# Altium PCB klpfly1.9.5.PcbDoc (part 1 of 2) (continued)
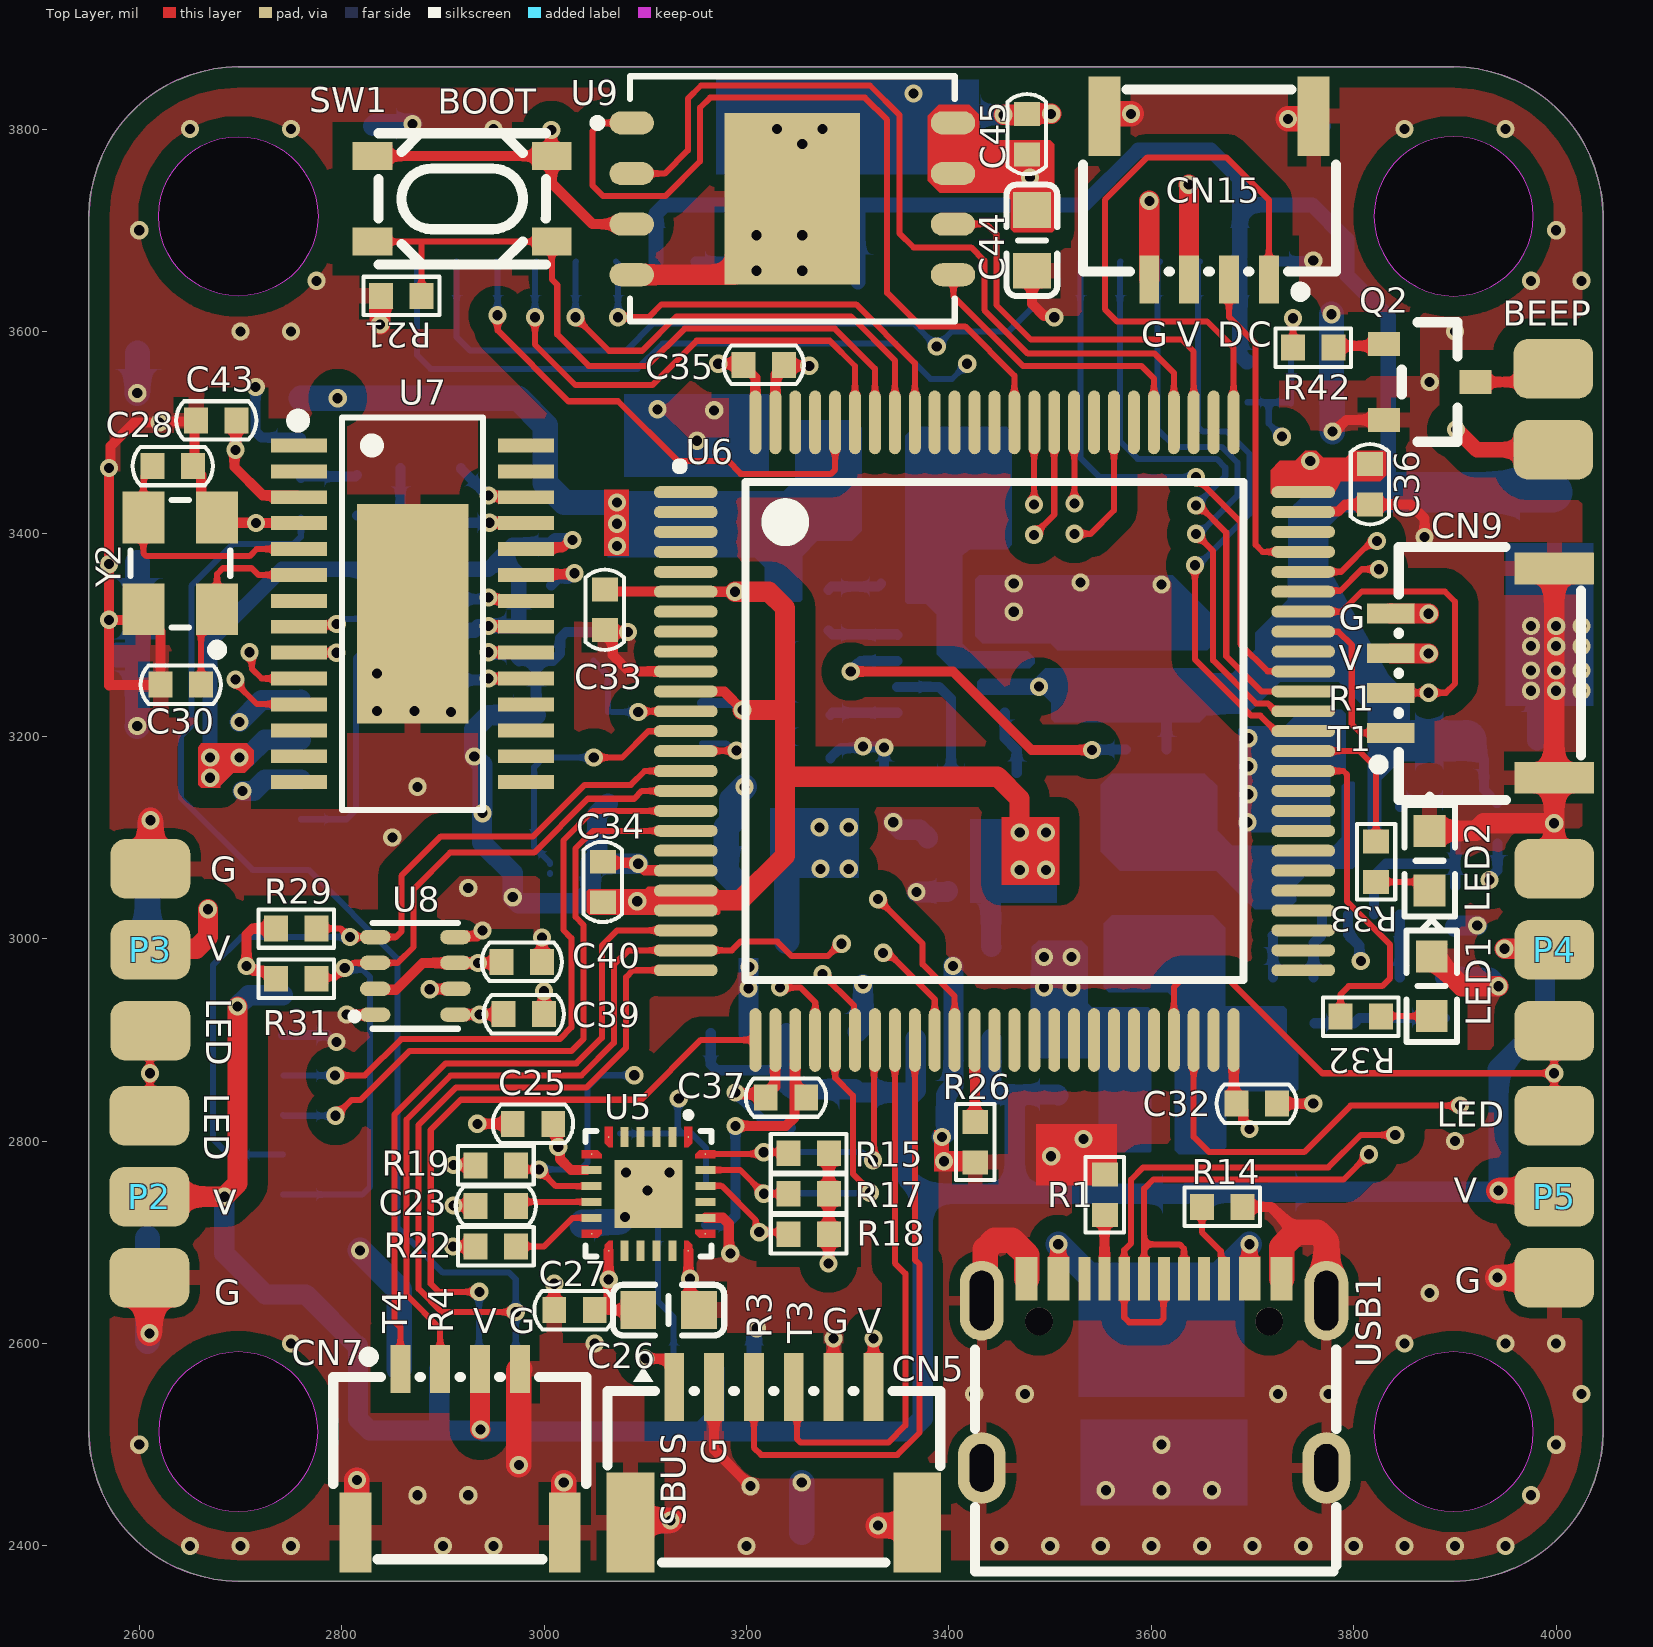
[diagram p0: Top Layer view]
## Design rules (kind name [scope] priority, off if disabled: settings)
Clearance Clearance_top_down_polygon [InNamedPolygon('GND_L01_P002')   or InNamedPolygon('GND_L04_P003')] p1: gap=20 ignorepadtopadclearanceinfootprint=TRUE
Clearance Clearance_Polygon [InNamedPolygon('GND_L02_P001')   or InNamedPolygon('GND_L03_P000')] p2: gap=10 ignorepadtopadclearanceinfootprint=TRUE
Clearance Clearance_RoomIMU [WithinRoom('RoomIMU')] p3: gap=6 ignorepadtopadclearanceinfootprint=TRUE
Clearance Clearance_HVPOWER [InNetClass('HVPOWER')] p4: gap=10 ignorepadtopadclearanceinfootprint=TRUE except(0: Arc-Hole Track-Hole SMDPad-Hole THPad-Hole Via-Hole Fill-Hole Poly-Hole Region-Hole Text-Hole)
Clearance Clearance_LVPOWER [InNetClass('LVPOWER')] p5: gap=8 ignorepadtopadclearanceinfootprint=TRUE except(0: Arc-Hole Track-Hole SMDPad-Hole THPad-Hole Via-Hole Fill-Hole Poly-Hole Region-Hole Text-Hole)
Clearance [All] p6: gap=6 ignorepadtopadclearanceinfootprint=TRUE
ComponentClearance [All] p1: gap=10 collisioncheckmode=3 verticalgap=0 showdistances=FALSE
MinimumSolderMaskSliver [All] p1: minsoldermaskwidth=0
PolygonConnect [All] p1: thpad.connectstyle=Relief thpad.reliefconductorwidth=10 thpad.reliefentries=4 thpad.polygonreliefangle="90 Angle" thpad.airgapwidth=10 smdpad.connectstyle=Relief smdpad.reliefconductorwidth=15 smdpad.reliefentries=4 smdpad.polygonreliefangle="90 Angle" smdpad.airgapwidth=10 via.connectstyle=Direct via.reliefconductorwidth=10 via.reliefentries=4 via.polygonreliefangle="90 Angle" via.airgapwidth=10
RoomDefinition RoomIMU [False vs False] p1: confinementstyle=ConfineIn formatcopy=TRUE lockcomponents=FALSE outline 3020,2823 3203,2823 3203,2656 3020,2656
RoutingVias [All] p1: holewidth=10 width=18 viastyle="Through Hole" minholewidth=10 minwidth=18 maxholewidth=100 maxwidth=100
SilkToSilkClearance [All] p1: silktosilkclearance=0
SilkToSolderMaskClearance [IsPad] p1: minsilkscreentomaskgap=0 clearancetoexposedcopper=TRUE
SolderMaskExpansion [All] p1: expansion=4 istentingtop=FALSE
Width Width_LVPOWER [InNetClass('LVPOWER')] p1: maxlimit=1000 minlimit=10 preferedwidth=10
Width Width_HVPOWER [InNetClass('HVPOWER')] p2: maxlimit=1000 minlimit=10 preferedwidth=10
Width [All] p3: maxlimit=1000 minlimit=6 preferedwidth=6
26 further rules are at their usual default settings.

## Classes and differential pairs
net class LVPOWER: GND VCC3V3_IMU VCC3V3_MCU VCC5V
net class HVPOWER: VCC10V VCC_BAT

## Components (designator, comment, footprint, x,y, rotation, side; value= is the part's Value field where it differs from the comment)
BEEP "BEEPER" 2P 3997,3483 r0 top
C1 "104" 0402C 3353,3351 r180 bottom
C2 "104" 0402C 3720,3023 r270 bottom
C3 "10uF" 0603C 3310,2878 r270 bottom
C4 "104" 0402C 3244,2833 r90 bottom
C5 "10uF" 0603C 3508,2875 r270 bottom
C6 "104" 0402C 3418.78,2847.15 r0 bottom
C7 "22uF" 0805C 3194,3444 r270 bottom
C8 "22uF" 0805C 3107,3446 r270 bottom
C9 "22uF" 0805C 3611,2900 r0 bottom
C10 "22uF" 0805C 3611.91,2820.27 r0 bottom
C11 "10uF" 0603C 3210,3110 r0 bottom
C12 "104" 0402C 3209,3057 r0 bottom
C13 "10uF" 0603C 3409,3099 r0 bottom
C14 "104" 0402C 3419,3047 r0 bottom
C15 "22uF" 0805C 3619,3277 r270 bottom
C16 "22uF" 0805C 3532,3277 r270 bottom
C17 "104" 0402C 3357,3162.6 r0 bottom
C18 "22uF" 0805C 3946,3196 r180 bottom
C19 "22uF" 0805C 3803.2,3195 r0 bottom
C20 "104" 0402C 3900.29,3031.73 r90 bottom
C21 "12pF" 0402C 3029,3275 r0 bottom
C22 "104" 0402C 3758,3529 r180 bottom
C23 "104" 0402C 2952.33,2735.93 r180 top
C24 "12pF" 0402C 3026,3074 r180 bottom
C25 "104" 0402C 2989,2817 r0 top
C26 "10uF" 0603C 3123,2633 r180 top
C27 "104" 0402C 3030,2633 r0 top
C28 "12pF" 0402C 2633,3467 r180 top
C29 "10uF" 0603C 2888,3465 r0 bottom
C30 "12pF" 0402C 2641,3251 r0 top
C31 "10uF" 0603C 2887,3404 r0 bottom
C32 "104" 0402C 3704,2837 r180 top
C33 "104" 0402C 3060,3325 r90 top
C34 "104" 0402C 3058,3056 r270 top
C35 "104" 0402C 3217,3567 r180 top
C36 "104" 0402C 3816,3449 r90 top
C37 "104" 0402C 3239,2843 r0 top
C38 "104" 0402C 2893,3333 r0 bottom
C39 "104" 0402C 2980,2925.41 r180 top
C40 "104" 0402C 2978,2977 r180 top
C41 "104" 0402C 2975,3294 r90 bottom
C42 "104" 0402C 3007,3369 r90 bottom
C43 "104" 0402C 2676,3512 r0 top
C44 "10uF" 0603C 3482,3690 r90 top
C45 "104" 0402C 3477,3795 r270 top
C46 "22uF" 0805C 3559,2536 r90 bottom
C47 "22uF" 0805C 3660,2535 r90 bottom
CN1 "SH1.0X8P" CONN-SMD_8P-P1.00_WAFER-SH1.0-8PWB 3012,3736 r0 bottom
CN2 "SH1.0X8P" CONN-SMD_8P-P1.00_WAFER-SH1.0-8PWB 3589,3736 r0 bottom
CN3 "SH1.0-3P" CONN-SMD_3P-P1.00_HDGC_HDGC1002WR-S-3P 3168,2494 r180 bottom
CN4 "HDGC1002WR-S-4P" CONN-SMD_4P-P1.00_HDGC_HDGC1002WR-S-4P 2916,2494 r180 bottom
CN5 "SH1.0X6P" CONN-SMD_6P-P1.00_MEGASTAR_ZX-SH1.0-6PWT 3227,2490 r0 top
CN6 "HDGC1002WR-S-4P" CONN-SMD_4P-P1.00_HDGC_HDGC1002WR-S-4P 2679,3177 r90 bottom
CN7 "HDGC1002WR-S-4P" CONN-SMD_4P-P1.00_HDGC_HDGC1002WR-S-4P 2917,2494 r0 top
CN8 "HDGC1002WR-S-4P" CONN-SMD_4P-P1.00_HDGC_HDGC1002WR-S-4P 2679,3475 r90 bottom
CN9 "HDGC1002WR-S-4P" CONN-SMD_4P-P1.00_HDGC_HDGC1002WR-S-4P 3917.29,3262.35 r90 top
CN10 "SH1.0X6P" CONN-SMD_6P-P1.00_MEGASTAR_ZX-SH1.0-6PWT 2675.07,2845.57 r90 bottom
CN15 "HDGC1002WR-S-4P" CONN-SMD_4P-P1.00_HDGC_HDGC1002WR-S-4P 3657,3732 r180 top
D1 "SS34" SOD-123 3719,2810 r270 bottom
D2 "SS34" SOD-123 3635,2688 r90 bottom
D3 "SMF28CA" SOD-123_L2.7-W1.8-LS3.7-BI 3310,3717 r270 bottom
L1 "10uH" IND-SMD_L4.3-W4.0_GPSR0420 3352,3457 r0 bottom
L2 "10uH" IND-SMD_L4.3-W4.0_GPSR0420 3607,3053 r90 bottom
LED1 "LED1" LED-0603 3877,2953 r90 top value=红色,0603
LED2 "LED1" LED-0603 3875,3077 r90 top value=红色,0603
P2 "LED焊盘" 3P 2610,2825 r180 top
P3 "LED焊盘" 3P 2611,2909 r0 top
P4 "LED焊盘" 3P 3998,2909 r0 top
P5 "LED焊盘" 3P 3998,2825 r180 top
P6 "VBAT" 2P 3996,3361 r180 bottom
Q1 "S8050LT1-J3Y" SOT-23_L2.9-W1.3-P1.90-LS2.4-BR 3075,2762 r270 bottom
Q2 "S8050LT1-J3Y" SOT-23_L2.9-W1.3-P1.90-LS2.4-BR 3875,3550 r180 top
R1 "5.1K" 0402R 3554,2747 r270 top
R2 "20R" 0402R 3281,3324.6 r90 bottom
R3 "20R" 0402R 3740.29,2961.73 r180 bottom
R4 "1M" 0402R 3595,3187 r180 bottom
R5 "1M" 0402R 3942,3114 r270 bottom
R6 "100K" 0402R 3447,3162.6 r0 bottom
R7 "51K" 0402R 3263,3221 r180 bottom
R8 "41.2K" 0402R 3239.62,3325.23 r90 bottom
R9 "100K" 0402R 3900.29,3116.73 r90 bottom
R10 "51K" 0402R 3845.29,2941.73 r270 bottom
R11 "41.2K" 0402R 3741.2,2916.41 r180 bottom
R12 "3.6K" 0402R 3263,3178 r180 bottom
R13 "7.68K" 0402R 3890.29,2941.73 r270 bottom
R14 "5.1K" 0402R 3670,2735 r180 top
R15 "10K" 0402R 3261.33,2787.92 r180 top
R16 "10K" 0402R 3695,3550 r90 bottom
R17 "10K" 0402R 3261.33,2747.92 r180 top
R18 "10K" 0402R 3261.33,2707.92 r180 top
R19 "10K" 0402R 2952.33,2775.93 r180 top
R20 "1K" 0402R 3758,3571 r180 bottom
R21 "10K" 0402R 2859,3635 r0 top
R22 "10K" 0402R 2952.33,2695.93 r180 top
R23 "10K" 0402R 3156,3213 r90 bottom
R24 "75R" 0402R 2815,3438 r270 bottom
R25 "75R" 0402R 2871,3274 r90 bottom
R26 "10K" 0402R 3426,2799 r270 top
R27 "10K" 0402R 2912,3274 r270 bottom
R28 "10K" 0402R 2831,3336 r270 bottom
R29 "10K" 0402R 2755,3010 r180 top
R30 "1K" 0402R 3160,2737 r90 bottom
R31 "10K" 0402R 2755,2960.41 r180 top
R32 "4.7K" 0402R 3807,2923 r180 top
R33 "4.7K" 0402R 3822,3076 r90 top
R42 "1K" 0402R 3760,3584 r0 top
SW1 "TS3425BA" SW-SMD_4P-L4.2-W3.2-P2.15-LS4.6-1 2919,3731 r180 top
U1 "MP9943" QFN-8-3X3 3402,3262.6 r0 bottom
U2 "MP9943" QFN-8-3X3 3806.2,3077 r90 bottom
U3 "SPX3819M5-L-3-3/TR" SOT-23-5_L3.0-W1.7-P0.95-LS2.8-BL 3202,2952 r180 bottom
U4 "SPX3819M5-L-3-3/TR" SOT-23-5_L3.0-W1.7-P0.95-LS2.8-BL 3404.6,2946.42 r180 bottom
U5 "MPU6500" QFN-24_L3.0-W3.0-P0.40-BL-EP 3103.13,2747.8 r180 top
U6 "AT32F437VMT7-LQFP100" LQFP-100_L14.0-W14.0-P0.50-LS16.0-TL 3445,3205 r0 top locked
U7 "AT7456E" TSSOP-28_L9.7-W4.4-P0.65-LS6.4-BL-EP5.5 2869.99,3321 r270 top
U8 "BMP280" SENSOR-TH_BMP280-BL 2872.7,2963.2 r0 top
U9 "W25N01GVZEIG" WSON-8_L8.0-W6.10-P1.27-EP 3245.23,3731 r0 top
USB1 "" USB-C-SMD_TYPE-C-6PIN-2MD-073 3602.72,2570.5 r0 top
Y1 "8Mhz" XTAL3225 2990.17,3133.45 r90 bottom
Y2 "27MHz" XTAL3225 2676.83,3325.45 r90 top

## Footprints (in the part's own frame and the unit in brackets; to place one, negate y for a bottom-side part, rotate by r counter-clockwise, add the part's x,y. Pads: shape width x height; smd on the part's side, far side on the other; paste and mask are expansions set on the pad)
2P [mm]
  rrect50% 2x1.5 smd: 1(0,0) 2(0,2.032)
3P [mm]
  rrect50% 2x1.5 smd: 1(0,0) 2(0,2.032) 3(0,4.064)
0402C [mm]
  rect 0.6x0.65 smd: 1(-0.508,0) 2(0.508,0)
  silkscreen extent -1.01,-0.48 1.01,0.48, body extent -0.51,-0.23 0.49,0.27, height 0.5
0402R [mm]
  rect 0.6x0.65 smd: 1(-0.508,0) 2(0.508,0)
  silkscreen extent -0.95,-0.48 0.95,0.48, body extent -0.47,-0.25 0.53,0.25, height 0.35
0603C [mm]
  rect 0.9x0.95 smd: 1(-0.762,0) 2(0.762,0)
  silkscreen extent -1.4,-0.64 1.4,0.64, body extent -0.79,-0.38 0.81,0.42, height 0.3
0805C [mm]
  rect 1.15x1.45 smd: 1(-0.889,0) 2(0.889,0)
  silkscreen extent -1.7,-0.99 1.7,0.99, body extent -1,-0.63 1,0.63, height 0.78
CONN-SMD_3P-P1.00_HDGC_HDGC1002WR-S-3P [mm]
  rect 0.5x1.2 smd paste+0 mask+0.05: 1(-1,2.05) 2(0,2.05) 3(1,2.05)
  rect 0.8x2 smd paste+0 mask+0.05: 4(2.2,-2.05) 5(-2.2,-2.05)
  silkscreen extent -2.67,-2.72 2.67,2.48, body extent -2.68,-3.13 2.69,1.92, height 3.13
CONN-SMD_4P-P1.00_HDGC_HDGC1002WR-S-4P [mm]
  rect 0.5x1.2 smd paste+0 mask+0.05: 1(-1.5,2.05) 2(-0.5,2.05) 3(0.5,2.05) 4(1.5,2.05)
  rect 0.8x2 smd paste+0 mask+0.05: 5(2.625,-2.05) 6(-2.625,-2.05)
  silkscreen extent -3.18,-2.72 3.17,2.49, body extent -3.18,-3.03 3.18,2.02, height 3.38
CONN-SMD_6P-P1.00_MEGASTAR_ZX-SH1.0-6PWT [mm]
  rect 0.5x1.7 smd paste+0 mask+0.05: 1(-2.5,1.7) 2(-1.5,1.7) 3(-0.5,1.7) 4(0.5,1.7) 5(1.5,1.7) 6(2.5,1.7)
  rect 1.2x2.5 smd paste+0 mask+0.05: 7(3.6,-1.7) 8(-3.6,-1.7)
  silkscreen extent -4.17,-2.7 4.18,2.21, body extent -4.18,-3.03 4.19,2.02, height 3.38
CONN-SMD_8P-P1.00_WAFER-SH1.0-8PWB [mm]
  rect 0.5x1.7 smd paste+0 mask+0.05: 1(-3.5,1.7) 2(-2.5,1.7) 3(-1.5,1.7) 4(-0.5,1.7) 5(0.5,1.7) 6(1.5,1.7) 7(2.5,1.7) 8(3.5,1.7)
  rect 1.2x2.5 smd paste+0 mask+0.05: 9(-4.6,-1.7) 10(4.6,-1.7)
  silkscreen extent -5.17,-2.95 5.17,2.32, body extent -5.18,-3.03 5.19,2.02, height 3.38
IND-SMD_L4.3-W4.0_GPSR0420 [mm] "0420封装电感使用"
  rect 1.5x2.5 smd: 1(-1.85,0) 2(1.85,0)
  silkscreen extent -2,-2 2,2, body extent -2.19,-2.11 2.21,2.09, height 2.1
LED-0603 [mm]
  rect 0.8x0.8 smd: 1(-0.75,0) 2(0.75,0)
  silkscreen extent -1.4,-0.64 1.66,0.64, body extent -0.8,-0.4 0.8,0.4, height 0.4
LQFP-100_L14.0-W14.0-P0.50-LS16.0-TL [mm]
  oval 1.6x0.3 smd paste+0 mask+0.051: 1(-7.75,6) 2(-7.75,5.5) 3(-7.75,5) 4(-7.75,4.5) 5(-7.75,4) 6(-7.75,3.5) 7(-7.75,3) 8(-7.75,2.5) 9(-7.75,2) 10(-7.75,1.5) 11(-7.75,1) 12(-7.75,0.5) 13(-7.75,0) 14(-7.75,-0.5) 15(-7.75,-1) 16(-7.75,-1.5) 17(-7.75,-2) 18(-7.75,-2.5) 19(-7.75,-3) 20(-7.75,-3.5) 21(-7.75,-4) 22(-7.75,-4.5) 23(-7.75,-5) 24(-7.75,-5.5) 25(-7.75,-6) 51(7.75,-6) 52(7.75,-5.5) 53(7.75,-5) 54(7.75,-4.5) 55(7.75,-4) 56(7.75,-3.5) 57(7.75,-3) 58(7.75,-2.5) 59(7.75,-2) 60(7.75,-1.5) 61(7.75,-1) 62(7.75,-0.5) 63(7.75,0) 64(7.75,0.5) 65(7.75,1) 66(7.75,1.5) 67(7.75,2) 68(7.75,2.5) 69(7.75,3) 70(7.75,3.5) 71(7.75,4) 72(7.75,4.5) 73(7.75,5) 74(7.75,5.5) 75(7.75,6)
  oval 0.3x1.6 smd paste+0 mask+0.051: 26(-6,-7.75) 27(-5.5,-7.75) 28(-5,-7.75) 29(-4.5,-7.75) 30(-4,-7.75) 31(-3.5,-7.75) 32(-3,-7.75) 33(-2.5,-7.75) 34(-2,-7.75) 35(-1.5,-7.75) 36(-1,-7.75) 37(-0.5,-7.75) 38(0,-7.75) 39(0.5,-7.75) 40(1,-7.75) 41(1.5,-7.75) 42(2,-7.75) 43(2.5,-7.75) 44(3,-7.75) 45(3.5,-7.75) 46(4,-7.75) 47(4.5,-7.75) 48(5,-7.75) 49(5.5,-7.75) 50(6,-7.75) 76(6,7.75) 77(5.5,7.75) 78(5,7.75) 79(4.5,7.75) 80(4,7.75) 81(3.5,7.75) 82(3,7.75) 83(2.5,7.75) 84(2,7.75) 85(1.5,7.75) 86(1,7.75) 87(0.5,7.75) 88(0,7.75) 89(-0.5,7.75) 90(-1,7.75) 91(-1.5,7.75) 92(-2,7.75) 93(-2.5,7.75) 94(-3,7.75) 95(-3.5,7.75) 96(-4,7.75) 97(-4.5,7.75) 98(-5,7.75) 99(-5.5,7.75) 100(-6,7.75)
  silkscreen extent -8,-6.25 6.25,6.75, body extent -8,-8 8,8, height 1.5
QFN-8-3X3 [mm]
  oval 1.3x0.35 smd paste+0 mask+0.051: 1(-1.349,1.001) 2(-1.349,0.351) 3(-1.349,-0.3) 4(-1.349,-0.95) 5(1.346,-0.95) 6(1.346,-0.3) 7(1.346,0.351) 8(1.349,1.001)
  silkscreen extent -2.29,-1.6 1.68,1.64, body extent -1.51,-1.49 1.51,1.51, height 0.91
QFN-24_L3.0-W3.0-P0.40-BL-EP [mm]
  round 0.04 smd: 1(-1,-1.428) 6(1,-1.428) 7(1.428,-1) 12(1.428,1) 13(1,1.428) 18(-1,1.428) 19(-1.428,1) 24(-1.428,-1)
  rect 0.2x0.505 smd paste-100 mask+0.051: 2(-0.6,-1.428) 3(-0.2,-1.428) 4(0.2,-1.428) 5(0.6,-1.428) 14(0.6,1.428) 15(0.2,1.428) 16(-0.2,1.428) 17(-0.6,1.428)
  rect 0.505x0.2 smd paste-100 mask+0.051: 8(1.428,-0.6) 9(1.428,-0.2) 10(1.428,0.2) 11(1.428,0.6) 20(-1.428,0.6) 21(-1.428,0.2) 22(-1.428,-0.2) 23(-1.428,-0.6)
  rect 1.7x1.7 smd paste-100 mask+0.051: 25(0,0)
  Top Layer region: -1.68,1.1 -1.274,1.1 -1.174,1 -1.175,0.9 -1.68,0.9 -1.68,1.1
  Top Layer region: 1.1,-1.68 0.9,-1.68 0.9,-1.175 1,-1.175 1.1,-1.275 1.1,-1.68
  Top Layer region: -1.1,-1.68 -0.9,-1.68 -0.9,-1.175 -1,-1.174 -1.1,-1.275 -1.1,-1.68
  Top Layer region: 1.1,1.68 0.9,1.68 0.9,1.175 1,1.174 1.1,1.274 1.1,1.68
  Top Layer region: 1.68,1.1 1.274,1.1 1.174,1 1.175,0.9 1.68,0.9 1.68,1.1
  Top Layer region: 1.68,-1.1 1.275,-1.1 1.175,-1 1.175,-0.9 1.68,-0.9 1.68,-1.1
  Top Layer region: -1.68,-1.1 -1.274,-1.1 -1.174,-1 -1.175,-0.9 -1.68,-0.9 -1.68,-1.1
  Top Layer region: -1.1,1.68 -0.9,1.68 -0.9,1.175 -1,1.174 -1.1,1.274 -1.1,1.68
  silkscreen extent -1.58,-2.05 1.58,1.58, body extent -1.5,-1.5 1.5,1.5, height 0.91
SENSOR-TH_BMP280-BL [mm]
  oval 0.767x0.364 smd paste+0 mask+0.051: 1(-1.008,-0.975) 2(-1.008,-0.325) 3(-1.008,0.325) 4(-1.008,0.975) 5(1.009,0.975) 6(1.009,0.325) 7(1.009,-0.325) 8(1.009,-0.975)
  silkscreen extent -1.61,-1.33 1.08,1.33, body extent -1,-1.25 1,1.25, height 0.96
SOD-123 [mm]
  rect 1x1.22 smd: 1(-1.524,0) 2(1.524,0)
  silkscreen extent -1.42,-0.85 1.43,0.85, body extent -1.85,-0.81 1.85,0.79, height 1.2
SOD-123_L2.7-W1.8-LS3.7-BI [mm]
  rect 1.4x1.2 smd paste+0 mask+0.051: 1(-1.735,0) 2(1.735,0)
  silkscreen extent -1.38,-0.93 1.38,0.93, body extent -1.88,-0.87 1.88,0.87, height 1.1
SOT-23-5_L3.0-W1.7-P0.95-LS2.8-BL [mm]
  rect 0.49x1.157 smd paste+0 mask+0.051: 1(-0.95,-1.154) 2(0,-1.154) 3(0.95,-1.154)
  rect 0.49x1.175 smd paste+0 mask+0.051: 4(0.95,1.154) 5(-0.95,1.154)
  silkscreen extent -1.8,-1.29 1.53,0.85, body extent -1.45,-1.48 1.45,1.53, height 1.2
SOT-23_L2.9-W1.3-P1.90-LS2.4-BR [mm]
  rect 0.8x0.6 smd paste+0 mask+0.051: 1(1.15,-0.95) 2(1.15,0.95) 3(-1.15,0)
  silkscreen extent -0.7,-1.5 0.7,1.5, body extent -1.25,-1.45 1.25,1.45, height 1.1
SW-SMD_4P-L4.2-W3.2-P2.15-LS4.6-1 [mm]
  rect 1x0.7 smd paste+0 mask+0.051: 1(-2.25,1.075) 2(2.25,1.075) 3(-2.25,-1.075) 4(2.25,-1.075)
  silkscreen extent -2.1,-1.65 2.1,1.65, body extent -2.35,-1.63 2.35,1.58, height 2.5
TSSOP-28_L9.7-W4.4-P0.65-LS6.4-BL-EP5.5 [mm]
  rect 0.35x1.4 smd paste+0 mask+0.051: 1(-4.225,-2.85) 2(-3.575,-2.85) 3(-2.925,-2.85) 4(-2.275,-2.85) 5(-1.625,-2.85) 6(-0.975,-2.85) 7(-0.325,-2.85) 8(0.325,-2.85) 9(0.975,-2.85) 10(1.625,-2.85) 11(2.275,-2.85) 12(2.925,-2.85) 13(3.575,-2.85) 14(4.225,-2.85) 15(4.225,2.85) 16(3.575,2.85) 17(2.925,2.85) 18(2.275,2.85) 19(1.625,2.85) 20(0.975,2.85) 21(0.325,2.85) 22(-0.325,2.85) 23(-0.975,2.85) 24(-1.625,2.85) 25(-2.275,2.85) 26(-2.925,2.85) 27(-3.575,2.85) 28(-4.225,2.85)
  rect 5.5x2.8 smd paste+0 mask+0.05: 29(0,0)
  silkscreen extent -5,-3.02 4.93,1.77, body extent -4.84,-3.21 4.86,3.19, height 0.95
USB-C-SMD_TYPE-C-6PIN-2MD-073 [mm]
  rect 0.55x1.1 smd paste-100 mask+0.05: 1(-3.2,2.375) 2(-2.4,2.375) 11(2.4,2.375) 12(3.2,2.375)
  rect 0.3x1.1 smd paste-100 mask+0.05: 3(-1.75,2.375) 4(-1.25,2.375) 5(-0.75,2.375) 6(-0.25,2.375) 7(0.25,2.375) 8(0.75,2.375) 9(1.25,2.375) 10(1.75,2.375)
  oval 1.2x1.8 hole 0.6 slot 1.2 at 90 deg paste+0 mask+0.05: 13(-4.325,-2.375) 14(4.325,-2.375)
  oval 1.1x2 hole 0.6 slot 1.5 at 90 deg paste+0 mask+0.05: 13(-4.325,1.825) 14(4.325,1.825)
  round 0.7 hole 0.7 unplated paste+0: ""(-2.89,1.305) ""(2.89,1.305)
  silkscreen extent -4.5,-4.97 4.57,0.6, body extent -4.47,-4.93 4.47,2.65, height 3.18
WSON-8_L8.0-W6.10-P1.27-EP [mm]
  oval 1.115x0.581 smd paste+0 mask+0.051: 1(-4.033,1.905) 2(-4.033,0.635) 3(-4.033,-0.635) 4(-4.033,-1.905) 5(4.033,-1.905) 6(4.033,-0.635) 7(4.033,0.635) 8(4.033,1.905)
  rect 3.4x4.3 smd paste+0 mask+0.051: 9(0,0)
  silkscreen extent -4.99,-3.08 4.08,3.08, body extent -4.01,-3 4.01,3, height 0.81
XTAL3225 [mm]
  rect 1.3x1.05 smd: 1(0,0) 2(2.3,0) 3(2.3,1.85) 4(0,1.85)
  silkscreen extent -1.14,-0.33 2.74,2.17, body extent -0.46,-0.34 2.74,2.16, height 0.7

## Part data
BEEP P6: library part "Header 2", "Header, 2-Pin", LatestRevisionDate=17-Jul-2002, LatestRevisionNote="Re-released for DXP Platform.", Publisher="Altium Limited"
C1 C2 C3 C4 C5 C6 C7 C8 C9 C10 C11 C12 C13 C14 C15 C16 C17 C18 C19 C20 C21 C22 C23 C24 C25 C26 C27 C28 C29 C30 C31 C32 C33 C34 C35 C36 C37 C38 C39 C40 C41 C42 C43 C44 C45 C46 C47: library part C
CN1 CN2: library part WAFER_SMT_1.0X8, "SH1.0 8P", JLCPCB Part Class="Extended Part", Manufacturer=null, Add into BOM=yes, Convert to PCB=yes, Device=WAFER_SMT_1.0X8, FootprintName=CONN-SMD_8P-P1.00_WAFER-SH1.0-8PWB, Manufacturer Part=WAFER_SMT_1.0X8, ModelTransform=407.873,198.8185,0,0,0,0,-0.001,-16.732,0, OriginModelName=CONN-SMD_8P-P1.00_WAFER-SH1.0-8PWB, Supplier=LCSC, Supplier Part=C9900021939, SymbolName=SH1.0X8P, UniqueId=ggebe725300a9fc9f2b
CN3: library part HDGC1002WR-S-3P, "SH1.0 3P", JLCPCB Part Class="Extended Part", Manufacturer=HDGC(华德共创), Add into BOM=yes, Convert to PCB=yes, Device=HDGC1002WR-S-3P, FootprintName=CONN-SMD_3P-P1.00_HDGC_HDGC1002WR-S-3P, Manufacturer Part=HDGC1002WR-S-3P, ModelTransform=210.63,196.85,0,0,0,0,0,-9.565,0, OriginModelName=CONN-SMD_3P-P1.00_HDGC_HDGC1002WR-S-3P, Supplier=LCSC, Supplier Part=C2936213, SymbolName=SH1.0-3P, UniqueId=gge2ce44b7eaad9832b
CN4 CN6 CN7 CN8 CN9 CN15: "SH1.0 4P", JLCPCB Part Class="Extended Part", Manufacturer=HDGC(华德共创), Add into BOM=yes, Convert to PCB=yes, Device=HDGC1002WR-S-4P, FootprintName=CONN-SMD_4P-P1.00_HDGC_HDGC1002WR-S-4P, Manufacturer Part=HDGC1002WR-S-4P, ModelTransform=249.9995,196.85,0,0,0,0,0,-5.906,0, OriginModelName=CONN-SMD_4P-P1.00_HDGC_HDGC1002WR-S-4P, Supplier=LCSC, Supplier Part=C2936214, SymbolName=HDGC1002WR-S-4P, UniqueId=ggee5a51ee7bd50bb1d
CN5 CN10: library part ZX-SH1.0-6PWT, "SH1.0 6P", JLCPCB Part Class="Extended Part", Manufacturer=Megastar(兆星), Add into BOM=yes, Convert to PCB=yes, Device=ZX-SH1.0-6PWT, FootprintName=CONN-SMD_6P-P1.00_MEGASTAR_ZX-SH1.0-6PWT, link=https://so.szlcsc.com/global.html?k=C7430448&ref=editor, Manufacturer Part=ZX-SH1.0-6PWT, ModelTransform=329.1332,198.8185,0,0,0,0,0.002,-7.876,0, OriginModelName=CONN-SMD_6P-P1.00_MEGASTAR_ZX-SH1.0-6PWT, Supplier=LCSC, Supplier Part=C7430448, SymbolName=SH1.0X6P, UniqueId=ggecd9d3fcf4734ba22
D1 D2: library part D, "1N4148"
D3: JLCPCB Part Class="Extended Part", Manufacturer=AnBon(安邦), Add into BOM=yes, Convert to PCB=yes, Device=SMF28CA, FootprintName=SOD-123_L2.7-W1.8-LS3.7-BI, link=https://so.szlcsc.com/global.html?k=C435496&ref=editor, Manufacturer Part=SMF28CA, ModelTransform=145.669,70.866,0,0,0,0,0,0,0, OriginModelName=SOD-123_L2.7-W1.8-LS3.7-BI, Supplier=LCSC, Supplier Part=C435496, SymbolName=SMF28CA, UniqueId=gge8336ca0810bb463b
L1 L2: library part L
LED1 LED2: "红色,0603,0603,*,RoHS", ComponentLink1Description=ErpDataInfo, ComponentLink1URL=http://erp.zlgmcu.com/ErpExt/ErpData/ListMateriel.aspx?pkey=1.04.05.0008, RoHS=RoHS, 名称=发光二极管, 器件优选方案=优先选用, 型号=红色,0603, 封装=0603, 物料代码=1.04.05.0008, 设备封装名称=LED0603-RED, 贴片和直插=SMT
Q1 Q2: Manufacturer=FH(风华), Add into BOM=yes, Convert to PCB=yes, Device=S8050LT1-J3Y, FootprintName=SOT-23_L2.9-W1.3-P1.90-LS2.4-BR, link=https://atta.szlcsc.com/upload/public/pdf/source/20220411/740B3F4857AB400E9826209E74F1EDA4.pdf, Manufacturer Part=S8050LT1-J3Y, ModelTransform=98.64468,114.173,0,180,0,0,0.001,0.001,0, OriginModelName=SOT-23-3P_L2.9-W1.3-H1.0-LS2.4-P0.95, Supplier=LCSC, Supplier Part=C2962087, SymbolName=S8050LT1-J3Y, UniqueId=gge1c8eb3e3ebf663b6
R1 R2 R3 R4 R5 R6 R7 R8 R9 R10 R11 R12 R13 R14 R15 R16 R17 R18 R19 R20 R21 R22 R23 R24 R25 R26 R27 R28 R29 R30 R31 R32 R33 R42: library part R
SW1: JLCPCB Part Class="Extended Part", Manufacturer="SHOU HAN(首韩)", Package Display=No, Contributor=LCSC, Manufacturer Part=TS3425BA, spicePre=S, spiceSymbolName=TS3425BA, Supplier=LCSC, Supplier Part=C2681476
U3 U4: JLCPCB Part Class="Extended Part", Manufacturer=MaxLinear(迈凌), Add into BOM=yes, Convert to PCB=yes, Device=SPX3819M5-L-3-3/TR, FootprintName=SOT-23-5_L3.0-W1.7-P0.95-LS2.8-BL, Manufacturer Part=SPX3819M5-L-3-3/TR, ModelTransform=114.173,109.636,0,180,0,0,0,-0.001,0, OriginModelName=SOT-23-5_L2.9-W1.6-H1.1-LS2.8-P0.95, Supplier=LCSC, Supplier Part=C9055, SymbolName=SPX3819M5-L-3-3/TR, UniqueId=gge70c12bce5ebcd7d5
U5: library part MPU-6500, JLCPCB Part Class="Extended Part", Manufacturer="TDK InvenSense(应美盛)", Add into BOM=yes, Convert to PCB=yes, Device=MPU-6500, FootprintName=QFN-24_L3.0-W3.0-P0.40-BL-EP, Manufacturer Part=MPU-6500, ModelTransform=118.11,118.11,0,90,0,0,0,0,0, OriginModelName=QFN-24_L3.0-W3.0-H0.9-P0.40-BL-EP, Supplier=LCSC, Supplier Part=C50278, SymbolName=MPU6500, UniqueId=gge6fb0faa0bb8ee760
U6: library part AT32F435VMT7, Manufacturer=ARTERY（雅特力）, Add into BOM=yes, Convert to PCB=yes, Device=AT32F435VMT7, FootprintName=LQFP-100_L14.0-W14.0-P0.50-LS16.0-TL, link=https://atta.szlcsc.com/upload/public/pdf/source/20220608/9A6D4578C11CEA8ECA586071DFEBC06A.pdf, Manufacturer Part=AT32F435VMT7, ModelTransform=629.921,629.921,0,270,0,0,0,0,0, OriginModelName=LQFP-100_L14.0-W14.0-H1.4-LS16.0-P0.50, Supplier=LCSC, Supplier Part=C3029578, SymbolName=AT32F437VMT7-LQFP100, UniqueId=ggece277d5420079038
U7: JLCPCB Part Class="Extended Part", Manufacturer=ZHONGKEWEI, Add into BOM=yes, Convert to PCB=yes, Device=AT7456E, FootprintName=TSSOP-28_L9.7-W4.4-P0.65-LS6.4-BL-EP5.5, Manufacturer Part=AT7456E, ModelTransform=381.889,251.968,0,0,0,0,0,0.005,0, OriginModelName=TSSOP-28_L9.7-W4.4-P0.65-LS6.4-BL-EP5.5, Supplier=LCSC, Supplier Part=C82351, SymbolName=AT7456E, UniqueId=gge0ef7d474198b7014
U8: JLCPCB Part Class="Extended Part", Manufacturer=Bosch, Add into BOM=yes, Convert to PCB=yes, Device=BMP280, FootprintName=SENSOR-TH_BMP280-BL, Manufacturer Part=BMP280, ModelTransform=98.425,78.74,0,270,0,0,0.005,-0.001,0, OriginModelName=LGA-8_L2.0-W2.5-H1.0-P0.65, Supplier=LCSC, Supplier Part=C83291, SymbolName=BMP280, UniqueId=gge447de30e0e3d1cf2
U9: JLCPCB Part Class="Extended Part", Manufacturer="Winbond Elec", Add into BOM=yes, Convert to PCB=yes, Device=W25N01GVZEIG, FootprintName=WSON-8_L8.0-W6.10-P1.27-EP, Manufacturer Part=W25N01GVZEIG, ModelTransform=315.7474,236.22,0,0,0,0,0,0,0, OriginModelName=WSON-8_L8.0-W6.0-H0.8-P1.27, Supplier=LCSC, Supplier Part=C88868, SymbolName=W25N01GVZEIG, UniqueId=ggee63176ef5aab684c
USB1: library part "TYPE-C 16PIN 2MD(073)", JLCPCB Part Class="Extended Part", Manufacturer="SHOU HAN(首韩)", Package Display=Yes, Contributor=LCSC, Manufacturer Part="TYPE-C 16PIN 2MD(073)", spicePre=U, spiceSymbolName="TYPE-C 16PIN 2MD(073)", Supplier=LCSC, Supplier Part=C2765186
Y1 Y2: library part XTAL_3225, "3225贴片无源晶振"
U1 U2: Add into BOM=yes, Convert to PCB=yes, Device=MP9943, FootprintName=QFN-8-3X3, SymbolName=MP9943, UniqueId=ggeb87cc7bca5c8949e

## Via types
v1: diameter 18, hole 10, Top Layer to Bottom Layer, 278 vias

## Nets (pads, with @x,y where several pads share a name; then routed paths per layer and width w, separated by ;. In a path a pad name is that pad's centre, name@x,y a point inside that pad or via, vN(x,y) a via of type N, cw(c..) or ccw(c..) an arc to the next point about the centre after c; other vN are vias at no path point)
AT_CS: R28.2 U6.86 U7.8 | length 1002.3
  Top Layer w6: U7.8@2757.79,3308.2 2759.19,3309.6 2793.6,3309.6 v1(2795,3311) ; v1(3484,3429) 3484.18,3429.18 3484.18,3509.93 U6.86@3484.37,3510.11
  POWER2 w6: v1(2795,3311) 2795,3406.94 2878.06,3490 3100,3490 3151,3439 3474,3439 v1(3484,3429)
  Bottom Layer w6: v1(2795,3311) 2798.25,3311 2803.25,3316 R28.2@2831,3316
AT_MISO: U6.84 U7.11 | length 1206.7
  Top Layer w6: v1(2695,3256) 2695,3253 2716.28,3231.72 2757.5,3231.72 U7.11@2757.79,3231.43 ; U6.84@3523.74,3510.11 3523.87,3509.98 3523.87,3430.13 v1(3524,3430)
  POWER2 w6: v1(2695,3256) 2695,3259.25 2682,3272.25 2682,3290 2699,3307 2762,3307 2775,3320 2775,3410 2867,3502 3108,3502 3155,3455 3499,3455 v1(3524,3430)
AT_MOSI: U6.85 U7.9 | length 1018
  Top Layer w6: U7.9@2757.79,3282.61 v1@2794.8,3282.61 ; v1(3484,3399) 3504.06,3419.06 U6.85@3504.06,3510.11
  POWER2 w6: v1@2795.32,3282.93 2814.72,3302.33 2814.72,3403.72 2889,3478 3093,3478 3151,3420 3463,3420 v1(3484,3399)
  other v1: 2794.9,3282.51
AT_SCK: U6.82 U7.10 | length 1222.8
  Top Layer w6: v1(2709,3283) 2711.3,3280.7 2711.3,3266.7 2720.98,3257.02 U7.10@2757.79,3257.02 ; v1(3524,3400) 3540,3400 3563.11,3423.11 U6.82@3563.11,3510.11
  POWER2 w6: v1(2709,3283) 2727.49,3264.51 2809.23,3264.51 2837,3292.28 2837,3405 2898,3466 3088,3466 3154,3400 3442,3400 3466,3376 3500,3376 v1(3524,3400)
BEEPER: R42.1 U6.48 | length 1343.2
  Top Layer w6: U6.48@3641.85,2899.89 3641.85,2804.15 3657,2789 3751,2789 3797,2835 v1(3905,2835) ; R42.1@3740,3584 v1(3740,3613)
  POWER2 w6: v1(3740,3613) 3951,3402 3951,3120 4006,3065 4006,2936 v1(3905,2835)
BOOT0: R21.2 SW1.1 SW1.2 U6.94 | length 736.6
  Top Layer w6: SW1.2@2830.42,3688.68 2880,3688.68 ; R21.2@2879,3635 2879,3687.67 2880,3688.68 ; U6.94@3326.89,3510.11 3326.89,3563.08 3287.18,3602.8 3138.82,3602.8 3102.03,3566 3044,3566 3013,3597 3013,3646 3007.59,3651.41 SW1.1@3007.59,3688.68 2880,3688.68
BOX_CS: U6.87 U9.1 | length 848
  Top Layer w6: U9.1@3086.46,3806 3056,3806 3048,3798 3048,3744 3058,3734 3120,3734 3154,3768 3154,3821 3164,3831 3317,3831 3339,3809 3339,3638 3372,3605 3416,3605 3464.69,3556.31 U6.87@3464.69,3510.11
BOX_MISO: U6.79 U9.2 | length 865.4
  Top Layer w6: U9.2@3086.46,3756 3119,3756 3142,3779 3142,3830 3155,3843 3322,3843 3351,3814 3351,3697 3365,3683 3422,3683 3435,3670 3435,3620.97 3477.97,3578 3603.22,3578 3622.17,3559.05 U6.79@3622.17,3510.11
BOX_MOSI: U6.80 U9.5 | length 296.6
  Top Layer w6: U9.5@3404,3656 3404.46,3655.54 3404.46,3634.54 3473,3566 3590,3566 3602.48,3553.52 U6.80@3602.48,3510.11
BOX_SCK: U6.78 U9.6 | length 401.1
  Top Layer w6: U9.6@3404,3706 3437,3706 3439.98,3703.02 3447,3696 3447,3625.94 3480.94,3592 3630,3592 3641.85,3580.15 U6.78@3641.85,3510.11
CURRENT1: CN1.1 U6.36 | length 1564.4
  Top Layer w6: v1(3330,3039) 3374,2995 3374,2974.72 3405.63,2943.09 U6.36@3405.63,2899.89
  POWER2 w6: v1(3330,3039) 3383.92,3092.92 3383.92,3134.92 3451,3202 3482.06,3202 3550,3269.94 3550,3484 3466,3568 v1(3418,3568)
  Bottom Layer w6: CN1.1@2874.22,3669.07 2874.22,3576.78 2888,3563 3092,3563 3117,3588 3347,3588 3382,3553 3403,3553 v1(3418,3568)
GND: C3.1 C4.1 C5.1 C6.1 C7.1 C8.1 C9.1 C10.1 C11.1 C12.1 C13.1 C14.1 C15.1 C16.1 C17.1 C18.1 C19.1 C20.1 C21.1 C22.1 C23.2 C24.1 C25.1 C26.1 C27.1 C28.1 C30.1 C32.1 C33.1 C34.1 C35.1 C36.1 C37.1 C39.1 C40.1 C41.1 C42.1 C43.1 C44.1 C45.1 C46.1 C47.1 CN1.8 CN1.9 CN1.10 CN2.8 CN2.9 CN2.10 CN3.1 CN3.4 CN3.5 CN4.4 CN4.5 CN4.6 CN5.2 CN5.5 CN5.7 CN5.8 CN6.2 CN6.5 CN6.6 CN7.4 CN7.5 CN7.6 CN8.3 CN8.5 CN8.6 CN9.4 CN9.5 CN9.6 CN10.5 CN10.7 CN10.8 CN15.4 CN15.5 CN15.6 D3.1 LED1.2 LED2.2 P2.3 P3.3 P4.3 P5.3 P6.1 Q1.2 Q2.2 R1.1 R12.1 R13.1 R14.1 R19.2 R20.1 R21.1 R22.2 R25.1 R26.2 U1.5 U2.5 U3.2 U4.2 U5.18 U5.20 U5.25 U6.10 U6.20 U6.27 U6.74 U6.99 U7.4 U7.20 U7.23 U7.29 U8.1 U8.5 U8.7 U9.4 U9.9 USB1.1 USB1.12 USB1.13 USB1.14 Y1.2 Y1.4 Y2.2 Y2.4 | length 6867.7
  Top Layer w10: Y2.4@2604,3325.45 Y2.4@2604,3320.53 ; C43.1@2656,3512 C43.1@2655,3511 ; U7.4@2757.79,3410.57 2715.43,3410.57 2715,3411 2681.83,3411 2661.16,3431.67 2661.16,3457.85 2653,3466.02 C28.1@2653,3467 2654.5,3468.5 2654.5,3510.5 C43.1@2655,3511 ; v1(2805,2925) 2805.09,2924.91 2832.91,2924.91 U8.1@2833,2924.82 ; v1(2887,2950) 2887.21,2950.21 2912.21,2950.21 U8.7@2912.41,2950.41 ; v1(2910.07,2695.93) R22.2@2931.67,2695.93 ; v1(2910.4,2736.25) C23.2@2932,2736.25 ; v1(2910.4,2776.25) R19.2@2932,2776.25 ; U8.5@2912.41,3001.59 2913.24,3002.42 2933.42,3002.42 v1(2939,3008) ; R22.2@2932,2695.6 R22.2@2932.33,2695.93 ; v1(2934,2817) C25.1@2969,2817 ; v1(2945,3283) 2945.2,3282.8 2982,3282.8 U7.20@2982.2,3282.61 ; U7.23@2982.2,3359.39 2983,3360.2 3029.2,3360.2 v1(3030,3361) ; C40.1@2998,2977 v1(2998,3001) ; C39.1@3000,2925.41 v1(3000,2948) ; C27.1@3010,2633 v1(3010,2659) ; C34.1@3058,3076 3059,3075 3092,3075 v1(3093,3074) 3099.45,3067.55 3139.54,3067.55 U6.20@3139.89,3067.2 ; C33.1@3060,3305 3062,3303 C33.1@3062.98,3303 ; v1(3083,3303) C33.1@3062.98,3303 ; U6.10@3139.89,3264.06 3083.94,3264.06 3067.8,3280.2 3067.8,3298.19 C33.1@3062.98,3303 ; U5.18@3142.5,2691.6 3142.5,2665.5 v1(3144,2664) 3144,2642 C26.1@3153,2633 ; U5.20@3159.33,2724.18 3176.61,2724.18 3182.47,2718.32 3182.47,2690.53 v1(3184,2689) ; CN5.2@3167.95,2556.93 3167.97,2495.03 v1(3204,2459) ; v1(3189,2848) 3190.53,2846.47 3215.53,2846.47 C37.1@3219,2843 3219,2843.98 3228.41,2853.39 3228.41,2899.84 U6.27@3228.46,2899.89 ; U6.99@3228.46,3510.11 3228.46,3557.48 3237,3566.02 C35.1@3237,3567 ; C35.1@3238,3566 v1(3262,3566) ; CN5.5@3286.03,2556.95 v1(3286,2605) ; v1(3395,2780) 3396,2779 R26.2@3426,2779 ; C44.1@3482,3660 3482,3627.28 3493.75,3615.53 3502.47,3615.53 v1(3504,3614) ; v1(3533,2802) 3535.19,2799.81 3535.19,2791.57 3554,2772.77 R1.1@3554,2766.02 ; R14.1@3690,2735 3718.29,2735 3743.35,2709.94 ; C32.1@3724,2837 v1(3760,2837) ; U6.74@3750.11,3421.54 3750.46,3421.89 3784.34,3421.89 3791.46,3429 3856,3429 3870,3415 v1(3870,3397) ; v1(3779,3501) 3781.16,3501 3792.76,3512.6 Q2.2@3829.72,3512.6 ; v1(2570,3315) v1(2570,3465) 2571.53,3466.53 2571.53,3486.53 2595,3510 v1(2620,3510) 2621,3511 C43.1@2655,3511 ; v1(2570,3315) 2598.47,3315 Y2.4@2604,3320.53 ; v1(2570,3315) 2570,3250 2570.5,3250.5 2620.5,3250.5 C30.1@2621,3251 2621,3303.53 Y2.4@2604,3320.53
  Top Layer w20: v1(2838,3607) 2838,3634 R21.1@2839,3635 ; U9.4@3086.46,3656 3187.95,3656 3191.95,3660 v1(3210,3660) ; v1(3454,3814) 3476,3814 C45.1@3477,3815 ; C45.1@3478,3816 3479,3815 v1(3501,3815) ; CN15.4@3597.95,3651.29 3597.95,3728.95 v1(3598,3729) ; CN9.4@3836.58,3321.4 3836.74,3321.25 3873.75,3321.25 v1(3874,3321) ; LED2.2@3875,3106.53 3920.75,3106.53 3928.22,3114 v1(3998,3114) ; LED1.2@3877,2982.53 3906.53,2953 v1(3943,2953) ; P4.3@3997,3070 P4.3@3998,3069 v1(3998,3114) ; CN9.5@3998,3365.69 CN9.6@3998,3159 v1(3998,3114)
  Top Layer w25: v1(2610,2610) P2.3@2610,2665 ; P3.3@2611,3069 v1(2611,3117) ; CN7.6@2813.65,2413.29 2815,2414.64 v1(2815,2465) ; v1(2975,2480) 2975,2573.66 CN7.4@2976.05,2574.71 ; v1(3019.35,2462.66) 3019.35,2414.28 CN7.5@3020.34,2413.29 ; CN5.8@3085.27,2423.07 3087.2,2425 v1(3125,2425) ; v1(3330,2420) 3365.67,2420 CN5.7@3368.74,2423.07 ; USB1.13@3432.45,2642.36 3435.95,2645.86 3435.95,2692.95 3445,2702 3462.26,2702 3476.91,2687.36 3476.91,2664.18 USB1.1@3476.74,2664.01 ; CN15.5@3553.66,3812.71 3555.95,3815 v1(3580,3815) ; USB1.12@3728.71,2664.01 3728.71,2695.29 3743.35,2709.94 3764.06,2709.94 3773,2701 USB1.14@3773,2642.35 ; v1(3735,3810) 3757.64,3810 CN15.6@3760.35,3812.71 ; v1(3942,2665) P5.3@3998,2665
  Bottom Layer w10: v1(2715,3545) 2715,3500.86 2720.86,3495 2759.39,3495 CN8.3@2759.71,3494.68 ; CN10.5@2742,2904.63 2785.9,2904.63 2792.74,2897.79 v1(2794.9,2897.79) ; R25.1@2871,3254 2871.5,3253.5 2871.5,3225.5 v1(2872,3225) ; v1(2945,3283) 2947.16,3283 2949.35,3280.81 2968.19,3280.81 C41.1@2975,3274 2975.5,3274.5 2992,3274.5 ; Y1.2@2992,3220.91 2992,3274.5 ; C42.1@3007,3349 3013.81,3355.81 3024.81,3355.81 v1(3030,3361) ; v1(3083,3303) 3021.67,3303 3015.81,3297.14 3015.81,3281.81 3008.5,3274.5 2992,3274.5 ; C8.1@3107,3481 3146,3481 v1@3151,3486 ; CN1.8@3149.8,3669.07 3198.77,3669.07 3207.84,3660 v1(3210,3660) ; v1(3151,3492) v1@3151,3486 ; v1(3189,2848) 3217.19,2819.81 3237.19,2819.81 C4.1@3244,2813 ; C7.1@3194,3479 3187,3486 v1@3151,3486 ; R12.1@3283,3178 3283,3178.98 3289.81,3185.8 3290.8,3185.8 3293.47,3188.47 3313.47,3188.47 v1(3315,3190) 3315.5,3189.5 3335.5,3189.5 v1(3336,3189) 3336,3163.6 C17.1@3337,3162.6 ; CN2.8@3726.8,3669.07 3759.07,3669.07 v1(3760,3670)
  Bottom Layer w15: CN3.1@3207.37,2574.71 3207.37,2612.37 v1(3210,2615) ; v1(3735,3810) 3763.03,3810 CN2.10@3770.1,3802.93
  Bottom Layer w20: v1(2702,3146) 2713.02,3146 2724.18,3157.15 2759.55,3157.15 CN6.2@2759.71,3157.31 ; CN1.9@2830.9,3802.93 2832.97,3805 v1(2870,3805) ; Y1.2@2992,3220.91 2944.91,3220.91 2931,3207 v1(2931,3180) 2939,3172 v1(2939,3124) 2938.53,3123.53 2938.53,3094.97 2969,3064.5 v1(2969,3041) 2975,3035 3034.28,3035 3046,3046.72 C24.1@3046,3074 ; Y1.4@3063,3133.45 3052.33,3122.78 3052.33,3081.32 3046,3074.98 C24.1@3046,3074 ; v1(3093,3074) C24.1@3046,3074 ; CN1.10@3193.1,3802.93 3196.03,3800 v1(3230,3800) ; U3.2@3202,2906.58 v1(3202,2951) ; v1(3275,3800) 3296.38,3800 3309.99,3786.38 D3.1@3309.99,3785.31 ; C3.1@3310,2908 3315,2913 v1(3315,2955) ; v1(3345,3115) 3352.3,3107.7 3371.28,3107.7 3379,3099.98 C13.1@3379,3099 ; v1(3368,3046) 3398,3046 C14.1@3399,3047 ; v1(3393,2804) 3396.97,2807.97 3396.97,2845.34 C6.1@3398.78,2847.15 3398.78,2848.14 3404.6,2853.95 3404.6,2972.4 v1(3404,2973) ; CN2.9@3407.9,3802.93 3418.97,3814 v1(3454,3814) ; v1(3533,2802) 3564.27,2802 3576.91,2814.64 C10.1@3576.91,2820.27 ; R13.1@3890.29,2961.73 3934.27,2961.73 v1(3943,2953) ; C20.1@3900.29,3011.73 3901.57,3013 v1(3922,3013) ; v1(3975,3245) 3976,3245 3981,3240 C18.1@3981,3196
  Bottom Layer w25: CN6.5@2578.25,3280.34 CN6.5@2598.29,3280.34 2598.29,3210.29 v1(2598,3210) ; v1(2598,3539) 2598.29,3539.29 CN8.5@2598.29,3578.34 ; CN6.6@2598.29,3073.65 2607.75,3073.65 2611,3076.9 v1(2611,3117) ; CN6.5@2598.29,3281.71 CN8.6@2598.29,3371.65 ; v1@2608.14,2602.14 CN10.8@2608.14,2703.84 ; CN10.7@2608.14,2987.31 CN6.6@2608.14,3070.4 ; CN4.5@2812.66,2413.29 2815,2415.63 v1(2815,2465) ; v1(2818,2692) 2856.95,2653.05 CN4.4@2856.95,2574.71 ; CN4.6@3019.35,2413.29 v1(3019.35,2462.66) ; Q1.2@3037.6,2716.72 3037.6,2719.28 3038.29,2719.97 3074.97,2719.97 v1(3080,2725) ; CN3.4@3081.39,2413.28 3081.39,2421.75 3084.64,2425 v1(3125,2425) ; C12.1@3189,3057 3188.61,3057 3180,3065.61 C11.1@3180,3110 3185.22,3115.22 3185.22,3137.22 v1(3198,3150) ; CN3.5@3254.61,2413.29 v1(3254.61,2462.66) ; v1(3778,3617) C22.1@3778,3529 3778.39,3529 3778.69,3528.7 3778.69,3501.31 v1(3779,3501)
  other v1: 2650,2400 2700,2400 2750,2400 2900,2400 2950,2400 3200,2400 3450,2400 3500,2400 3550,2400 3600,2400 3650,2400 3700,2400 3750,2400 3800,2400 3850,2400 3900,2400 3950,2400 2875,2450 2925,2450 3975,2450 3555,2455 3610,2455 3660,2455 2600,2500 3610,2500 4000,2500 3425,2550 3475,2550 3725,2550 3775,2550 4025,2550 2750,2600 3050,2600 3850,2600 3950,2600 4000,2600 3875,2650 3102,2751 3081,2769 3124,2769 3501,2785 3900,2800 3494,2952 3521,2952 3203,2972 3494,2982 3521,2982 2925,3050 2850,3100 3695,3115 3696,3142.67 2875,3150 3696,3170.33 3696,3198 2908,3224 2835,3225 4000,3245 4025,3245 2835,3262 3975,3265 4000,3265 4025,3265 3975,3289 4000,3289 4025,3289 3975,3309 4000,3309 4025,3309 3464,3323 3610,3350 3464,3351 3530,3352 2570,3370 2715.22,3410.79 3168,3522 3112,3523 3875,3550 2700,3600 2750,3600 3900,3600 2775,3650 3975,3650 4025,3650 3255,3660 3210,3695 3255,3695 2600,3700 4000,3700 3255,3785 2650,3800 2750,3800 2950,3800 3850,3800 3950,3800 3365,3835
GYRO_CS1: R18.2 U5.22 U6.29 | length 623.9
  Top Layer w6: U5.22@3159.33,2755.67 3175.33,2755.67 3209,2722 3209,2713.51 v1(3212.51,2710) 3239.25,2710 R18.2@3241.33,2707.92 ; v1(3233,2951.62) 3253.38,2951.62 3267.91,2937.09 3267.91,2899.97 U6.29@3267.83,2899.89
  POWER2 w6: v1(3212.51,2710) 3203,2719.51 3187,2735.51 3187,2752.54 3120.04,2819.5 3097.5,2819.5 3063,2854 3063,2870 3107,2914 3195.38,2914 v1(3233,2951.62)
GYRO_EXTI1: U6.77
GYRO_EXTI2: U6.60
GYRO_MISO: R19.1 U5.9 U6.31 | length 564.9
  Top Layer w6: R19.1@2972.33,2775.93 2976.25,2772 v1(2995,2772) 3011.58,2755.42 3046.67,2755.42 U5.9@3046.93,2755.67 ; v1(3275,2965) 3306.32,2933.68 3306.32,2900.77 U6.31@3307.2,2899.89
  POWER2 w6: v1(3089,2865) 3117,2893 3203,2893 v1(3275,2965)
  Bottom Layer w6: v1(2995,2772) 3036,2772 3043,2779 3043,2853 3055,2865 v1(3089,2865)
GYRO_MOSI: R15.2 U5.24 U6.32 | length 314.2
  Top Layer w6: U5.24@3159.33,2787.18 3215.18,2787.18 v1(3217,2789) 3240.25,2789 R15.2@3241.33,2787.92 ; v1(3325,2781) 3325.95,2781.95 3325.95,2898.94 U6.32@3326.89,2899.89
  Bottom Layer w6: v1(3217,2789) 3313.75,2789 3321.75,2781 v1(3325,2781)
GYRO_SCK: R17.2 U5.23 U6.30 | length 362.3
  Top Layer w6: U5.23@3159.33,2771.42 3193.58,2771.42 v1(3217.08,2747.92) R17.2@3241.33,2747.92 ; U6.30@3287.52,2899.89 3287.52,2862.48 3305,2845 3305,2767.7 3322,2750.7 v1(3322,2749)
  Bottom Layer w6: v1(3217.08,2747.92) 3217.61,2748.46 3321.46,2748.46 v1(3322,2749)
HEXT_IN: C21.2 U6.12 Y1.3 | length 130
  Top Layer w6: v1(3093,3224) 3093.68,3224.68 U6.12@3139.89,3224.68
  Bottom Layer w6: C21.2@3049,3275 3049,3274.02 3063,3260.02 Y1.3@3063,3224 ; Y1.3@3067,3224 v1(3093,3224)